# Altium PCB ANALOG_BOARD.PcbDoc (part 2 of 2) (continued)
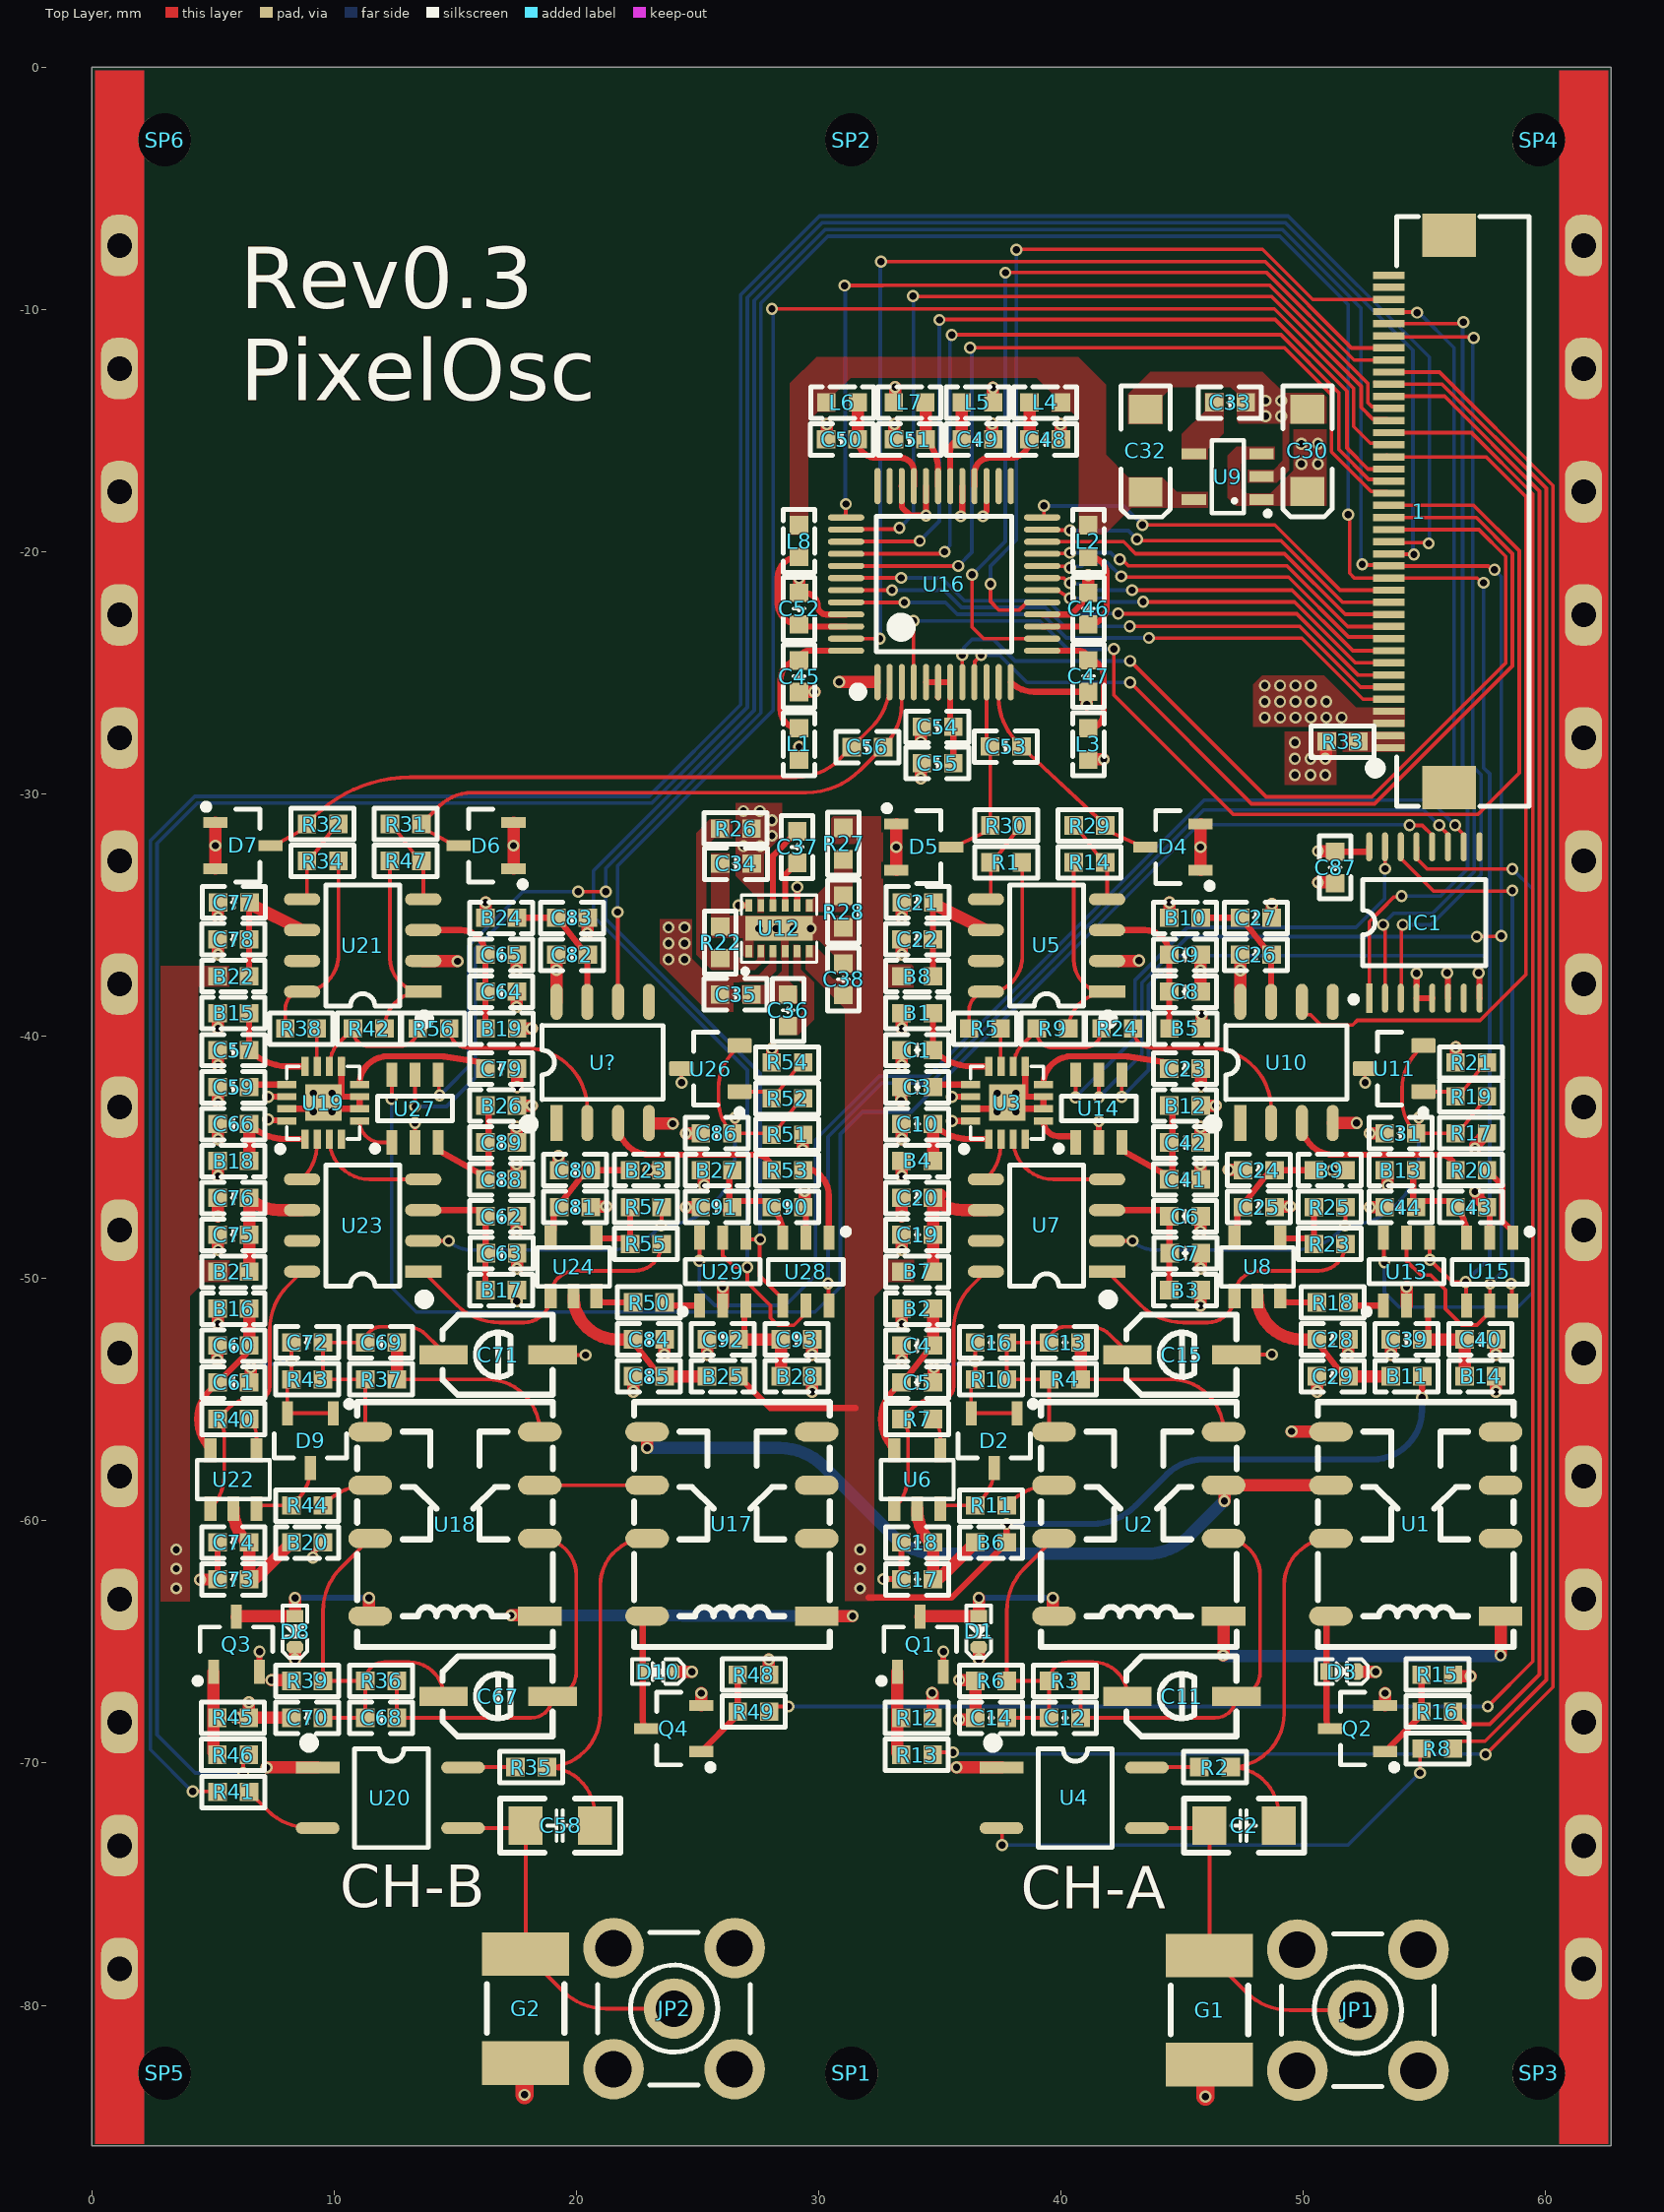
[diagram p0: Top Layer view]
## Nets (pads, with @x,y where several pads share a name; then routed paths per layer and width w, separated by ;. In a path a pad name is that pad's centre, name@x,y a point inside that pad or via, vN(x,y) a via of type N, cw(c..) or ccw(c..) an arc to the next point about the centre after c; other vN are vias at no path point) (continued)
  Top Layer w0.152: C68.2@12.588,-68.134 R36.2@12.588,-66.61 ; C68.2@12.715,-68.134 18.125,-68.134 ccw(c18.125,-67.245) C67.2@19.014,-67.245 ccw(c19.014,-66.269) 19.99,-66.269 19.99,-62.236 ccw(c18.486,-62.236) U18.2@18.486,-60.733
NetC69_1: C69.1 C71.1 C72.2 R37.1 R43.2 U18.5 | length 11.5
  Top Layer w0.152: U18.5@11.486,-56.333 cw(c11.486,-56.135) 11.288,-56.135 R37.1@11.288,-54.164 R43.2@9.54,-54.164 C72.2@9.54,-52.64 C69.1@11.288,-52.64 cw(c11.934,-52.64) 11.934,-51.994 12.995,-51.994 cw(c12.995,-53.121) 13.792,-52.324 14.264,-52.796 cw(c13.913,-53.148) C71.1@14.41,-53.148
  Top Layer w0.254: C71.1@14.261,-53.1 14.328,-53.148 C71.1@14.41,-53.148
NetC69_2: C69.2 R37.2 U18.4 | length 8.7
  Top Layer w0.152: R37.2@12.588,-54.164 16.317,-54.164 cw(c16.317,-56.333) U18.4@18.486,-56.333
  Top Layer w0.508: R37.2@12.588,-54.164 C69.2@12.588,-52.64
NetC79_1: C79.1 U19.8 | length 6.1
  Top Layer w0.254: U19.8@11.047,-41.995 cw(c12.213,-41.995) 12.213,-40.829 12.303,-40.829 ; 12.304,-40.829 14.51,-40.837 cw(c14.51,-41.091) 14.549,-40.84 16.114,-41.083 C79.1@16.368,-41.337
NetD2_3: D2.3 R11.1 U6.3 | length 3.3
  Top Layer w0.152: U6.3@35.011,-59.498 cw(c35.318,-59.804) 35.318,-59.371 R11.1@36.459,-59.371 36.695,-59.135 ccw(c35.39,-57.829) D2.3@37.236,-57.829
NetD9_3: D9.3 R44.1 U22.3 | length 3.3
  Top Layer w0.152: U22.3@6.792,-59.498 cw(c7.098,-59.804) 7.098,-59.371 R44.1@8.24,-59.371 8.476,-59.135 ccw(c7.17,-57.829) D9.3@9.017,-57.829
NetIC1_10: IC1.10 U29.6 | length 47
  Top Layer w0.152: v1(25.07,-49.276) 25.077,-49.268 25.077,-48.329 U29.6@25.085,-48.322 ; v1(56.261,-31.295) 56.261,-31.325 56.612,-31.676 IC1.10@56.612,-32.147
  Bottom Layer w0.152: v1(25.07,-49.276) 25.07,-50.47 25.705,-51.105 28.626,-51.105 29.866,-49.864 29.866,-44.273 32.484,-41.656 34.493,-41.656 45.898,-30.251 55.217,-30.251 v1(56.261,-31.295)
NetIC1_11: IC1.11 U28.6 | length 38.7
  Top Layer w0.152: v1(30.382,-50.206) 30.398,-50.221 30.398,-51.1 U28.6@30.414,-51.116 ; v1(55.605,-31.295) 55.605,-31.32 55.974,-31.689 IC1.11@55.974,-31.827
  Bottom Layer w0.152: v1(30.382,-50.206) 30.382,-44.153 32.599,-41.935 34.609,-41.935 45.887,-30.658 54.967,-30.658 v1(55.605,-31.295)
NetIC1_12: IC1.12 U27.6 | length 64.8
  Top Layer w0.152: v1(12.37,-42.596) 12.377,-42.588 12.377,-41.598 U27.6@12.385,-41.591 ; v1(54.377,-31.295) 54.905,-31.295 55.316,-31.706 IC1.12@55.316,-32.181
  Bottom Layer w0.152: v1(12.37,-42.596) 12.37,-50.368 13.386,-51.384 29.845,-51.384 30.886,-50.343 30.886,-44.044 31.805,-43.125 33.814,-43.125 45.668,-31.271 54.353,-31.271 v1(54.377,-31.295)
NetIC1_13: IC1.13 U13.6 | length 31.3
  Top Layer w0.152: U13.6@53.304,-48.322 53.322,-48.339 53.322,-49.309 v1(53.34,-49.327) ; IC1.13@54.666,-32.181 54.698,-32.213 54.698,-32.688 55.106,-33.096 v1(58.619,-33.096)
  Bottom Layer w0.152: v1(53.34,-49.327) 53.34,-50.571 53.95,-51.181 58.852,-51.181 59.461,-50.571 59.461,-33.934 58.623,-33.096 v1(58.619,-33.096)
NetIC1_14: IC1.14 U15.6 | length 22.8
  Top Layer w0.152: IC1.14@54.016,-32.181 54.016,-32.656 55.371,-34.011 58.594,-34.011 v1(58.619,-33.985) ; v1(58.572,-50.216) 58.603,-50.246 58.603,-51.085 U15.6@58.633,-51.116
  Bottom Layer w0.152: v1(58.572,-50.216) 58.619,-50.169 v1(58.619,-33.985)
NetIC1_15: IC1.15 U14.6 | length 20.8
  Top Layer w0.152: v1@40.597,-42.639 U14.6@40.597,-41.619 ; IC1.15@53.366,-32.181 IC1.15@53.366,-32.181 53.367,-33.087 v1(53.368,-33.088)
  Top Layer w0.254: v1@40.589,-42.647 v1@40.597,-42.639 ; U14.6@40.597,-41.619 U14.6@40.615,-41.601
  Bottom Layer w0.152: v1(40.589,-42.52) 43.053,-40.056 43.053,-37.674 45.218,-35.509 52.172,-35.509 53.35,-34.331 53.35,-33.106 v1(53.368,-33.088)
NetQ1_1: Q1.1 R12.1 R13.1 | length 3.4
  Top Layer w0.508: Q1.1@33.238,-66.229 33.238,-68.134 33.238,-69.547 ccw(c33.395,-69.547) R13.1@33.284,-69.658
NetQ2_1: Q2.1 R15.1 R16.1 | length 3.8
  Top Layer w0.254: Q2.1@53.365,-69.526 54.777,-68.114 ccw(c54.544,-67.88) R16.1@54.874,-67.88 R15.1@54.874,-66.356
NetQ3_1: Q3.1 R45.1 R46.1 | length 3.5
  Top Layer w0.508: R45.1@5.019,-68.134 5.019,-69.547 ccw(c5.176,-69.547) R46.1@5.065,-69.658 ; Q3.1@5.019,-66.229 5.019,-67.976 R45.1@5.177,-68.134
NetQ4_1: Q4.1 R48.1 R49.1 | length 3.8
  Top Layer w0.254: Q4.1@25.146,-69.526 26.558,-68.114 ccw(c26.324,-67.88) R49.1@26.655,-67.88 R48.1@26.655,-66.356
NetR1_1: R1.1 R5.2 U5.8 | length 8.2
  Top Layer w0.152: R5.2@36.205,-39.747 36.205,-38.913 cw(c36.895,-38.913) 36.895,-38.223 ccw(c36.895,-36.724) 38.394,-36.724 R1.1@38.394,-32.828
NetR2_1: R2.1 U4.4 | length 2.2
  Top Layer w0.152: U4.4@43.538,-70.186 cw(c43.558,-70.186) 43.558,-70.166 R2.1@45.698,-70.166
NetR5_1: R5.1 U3.11 | length 1.6
  Top Layer w0.152: R5.1@37.505,-39.747 37.505,-41.307 U3.11@37.519,-41.307
NetR7_1: R7.1 U6.1 U7.8 | length 11.8
  Top Layer w0.152: U6.1@33.111,-59.498 ccw(c31.738,-58.124) 33.68,-58.124 33.68,-56.454 ccw(c32.762,-56.454) R7.1@33.411,-55.804 33.88,-55.335 cw(c34.773,-56.228) 34.773,-54.966 35.077,-54.966 ccw(c35.077,-54.483) 35.56,-54.483 35.56,-52.106 cw(c38.1,-52.106) 36.304,-50.31 U7.8@36.895,-49.719
NetR7_2: R7.2 U6.4 | length 1.4
  Top Layer w0.152: R7.2@34.711,-55.804 cw(c33.987,-56.528) 35.011,-56.528 U6.4@35.011,-57.098
NetR8_2: R8.2 U4.2 | length 20.2
  Top Layer w0.152: v1(37.567,-73.381) U4.2@37.567,-72.69 ; v1(54.813,-70.409) 54.813,-69.465 R8.2@54.874,-69.404
  Top Layer w0.508: U4.2@37.538,-72.686 37.563,-72.686 U4.2@37.567,-72.69
  Bottom Layer w0.152: v1(37.567,-73.381) 51.841,-73.381 v1(54.813,-70.409)
NetR9_2: R9.2 R14.1 U5.1 | length 8.6
  Top Layer w0.152: R9.2@40.299,-39.747 cw(c41.823,-39.747) 41.823,-38.223 41.895,-38.223 cw(c41.895,-36.851) 40.523,-36.851 R14.1@40.523,-32.828
NetR11_2: R11.2 U2.6 | length 2.2
  Top Layer w0.152: R11.2@37.759,-59.371 37.853,-59.277 cw(c39.65,-61.073) 39.65,-58.533 U2.6@39.705,-58.533
NetR18_1: R18.1 U8.3 | length 1.3
  Top Layer w0.254: U8.3@49.108,-50.735 ccw(c49.362,-50.735) 49.362,-50.989 R18.1@50.302,-50.989
NetR19_1: R19.1 R21.2 U11.1 | length 3.6
  Top Layer w0.152: U11.1@54.939,-42.294 56.099,-42.294 cw(c56.099,-42.743) 56.416,-42.426 56.569,-42.273 57.259,-41.395 R21.2@57.564,-41.09
  Top Layer w0.508: R19.1@56.271,-42.48 R19.1@56.398,-42.353 ; R21.2@57.444,-41.21 R21.2@57.571,-41.083
NetR20_2: R20.2 U10.3 | length 7.4
  Top Layer w0.254: U10.3@49.936,-43.583 ccw(c51.246,-43.583) 51.246,-44.893 55.637,-44.893 cw(c55.637,-45.528) R20.2@56.271,-45.528
NetR23_1: R23.1 R25.1 U8.4 | length 2.7
  Top Layer w0.254: U8.4@49.047,-48.322 49.17,-48.344 R23.1@50.19,-48.344 ; R23.1@50.429,-48.576 R25.1@50.429,-47.052
NetR24_2: R24.2 U10.2 | length 8.2
  Top Layer w0.152: R24.2@42.966,-39.686 ccw(c43.768,-39.686) 43.768,-40.488 46.126,-40.488 cw(c46.126,-43.028) 48.666,-43.028 U10.2@48.666,-43.583
NetR34_1: R34.1 R38.2 U21.8 | length 8.2
  Top Layer w0.152: R38.2@7.986,-39.686 7.986,-38.852 cw(c8.676,-38.852) U21.8@8.676,-38.162 ccw(c8.676,-36.663) 10.175,-36.663 R34.1@10.175,-32.766
NetR35_1: R35.1 U20.4 | length 2.2
  Top Layer w0.152: U20.4@15.319,-70.186 cw(c15.339,-70.186) 15.339,-70.166 R35.1@17.479,-70.166
NetR38_1: R38.1 U19.11 | length 1.6
  Top Layer w0.152: R38.1@9.286,-39.686 9.286,-41.246 U19.11@9.299,-41.246
NetR40_1: R40.1 U22.1 U23.8 | length 11.8
  Top Layer w0.152: U22.1@4.892,-59.498 ccw(c3.518,-58.124) 5.461,-58.124 5.461,-56.454 ccw(c4.542,-56.454) R40.1@5.192,-55.804 5.66,-55.335 cw(c6.553,-56.228) 6.553,-54.966 6.858,-54.966 ccw(c6.858,-54.483) 7.341,-54.483 7.341,-52.106 cw(c9.881,-52.106) 8.085,-50.31 U23.8@8.676,-49.719
NetR40_2: R40.2 U22.4 | length 1.4
  Top Layer w0.152: R40.2@6.492,-55.804 cw(c5.767,-56.528) 6.792,-56.528 U22.4@6.792,-57.098
NetR41_2: R41.2 U20.2 | length 3.3
  Top Layer w0.152: R41.2@6.492,-71.196 7.237,-71.942 ccw(c9.033,-70.146) 9.033,-72.686 U20.2@9.319,-72.686
NetR42_2: R42.2 R47.1 U21.1 | length 8.6
  Top Layer w0.152: R42.2@12.08,-39.686 cw(c13.604,-39.686) 13.604,-38.162 U21.1@13.676,-38.162 cw(c13.676,-36.79) 12.304,-36.79 R47.1@12.304,-32.766
NetR44_2: R44.2 U18.6 | length 2.2
  Top Layer w0.152: R44.2@9.54,-59.371 9.634,-59.277 cw(c11.43,-61.073) 11.43,-58.533 U18.6@11.486,-58.533
NetR50_1: R50.1 U24.3 | length 1.3
  Top Layer w0.254: U24.3@20.889,-50.735 ccw(c21.143,-50.735) 21.143,-50.989 R50.1@22.083,-50.989
NetR52_1: R52.1 R54.2 U26.1 | length 3.3
  Top Layer w0.152: U26.1@26.727,-42.287 27.887,-42.287 cw(c27.887,-42.736) 28.204,-42.418 28.357,-42.266 29.047,-41.387 R54.2@29.352,-41.083
NetR53_2: R53.2 U?.3 | length 7.4
  Top Layer w0.254: U?.3@21.717,-43.583 ccw(c23.027,-43.583) 23.027,-44.893 27.417,-44.893 cw(c27.417,-45.528) R53.2@28.052,-45.528
NetR55_1: R55.1 R57.1 U24.4 | length 2.7
  Top Layer w0.254: U24.4@20.828,-48.322 20.951,-48.344 R55.1@21.971,-48.344 ; R55.1@22.21,-48.576 R57.1@22.21,-47.052
NetR56_2: R56.2 U?.2 | length 8.2
  Top Layer w0.152: R56.2@14.747,-39.686 ccw(c15.549,-39.686) 15.549,-40.488 17.907,-40.488 cw(c17.907,-43.028) 20.447,-43.028 U?.2@20.447,-43.583
NetU1_6: U1.6 U2.3 U17.5 | length 32
  Top Layer w0.508: v1(22.911,-56.998) 22.911,-56.338 U17.5@22.916,-56.333 ; v1(46.736,-59.182) 46.736,-58.563 U2.3@46.705,-58.533 U1.6@51.135,-58.533
  Bottom Layer w0.508: v1(22.911,-56.998) 28.386,-56.998 cw(c28.386,-59.538) 30.183,-57.742 33.063,-60.622 ccw(c34.86,-58.826) 34.86,-61.366 43.499,-61.366 ccw(c43.499,-58.826) 45.296,-60.622 v1(46.736,-59.182)
NetU3_2: U3.2 U7.5 | length 1.8
  Top Layer w0.152: U7.5@36.895,-45.909 ccw(c35.387,-44.4) 37.52,-44.4 U3.2@37.52,-44.246
NetU3_3: U3.3 U7.4 | length 4.8
  Top Layer w0.152: U3.3@38.018,-44.246 ccw(c39.681,-44.246) 39.681,-45.909 U7.4@41.895,-45.909
NetU17_6: U17.6 U18.3 | length 4.4
  Top Layer w0.152: U18.3@18.486,-58.533 U17.6@22.916,-58.533
NetU19_2: U19.2 U23.5 | length 1.8
  Top Layer w0.152: U23.5@8.676,-45.909 ccw(c7.168,-44.4) 9.301,-44.4 U19.2@9.301,-44.246
NetU19_3: U19.3 U23.4 | length 4.8
  Top Layer w0.152: U19.3@9.799,-44.246 ccw(c11.462,-44.246) 11.462,-45.909 U23.4@13.676,-45.909
pads on no net: 1.0 1.39 1.40 IC1.7 IC1.9 U1.2 U1.3 U1.4 U3.4 U5.7 U7.7 U10.1 U10.5 U16.25 U16.26 U16.35 U16.36 U17.2 U17.3 U17.4 U19.4 U21.7 U23.7 U?.1 U?.5

## Polygon pours and split planes (outlines as drawn)
DGND on Top Layer "DGND_L01_P029" (solid, pour order 29): 49.225,-27.432 51.359,-27.432 51.359,-29.616 49.225,-29.616
Net1_1 on Top Layer "DGN" (solid, pour order 31): 51.613,-27.432 54.178,-27.432 54.178,-28.27 51.613,-28.27
5V on Top Layer "5V_L01_P027" (solid, pour order 27): 47.93,-25.476 48.285,-25.121 50.851,-25.121 52.172,-26.441 54.178,-26.441 54.178,-27.229 47.93,-27.229
-2V5 on Top Layer "-2V5_L01_P004" (solid, pour order 4): 32.639,-37.033 33.909,-37.033 33.909,-37.998 32.639,-37.998 32.639,-49.225 33.934,-49.225 33.934,-50.14 32.893,-50.14 32.283,-50.749 32.283,-52.197 32.283,-59.879 32.283,-63.308 31.09,-63.308 31.09,-50.702 31.09,-38.862 29.464,-37.236 29.464,-36.257 29.832,-36.257 30.263,-36.688 30.263,-37.323 30.594,-37.654 31.775,-37.654 31.775,-32.066 30.505,-32.066 30.505,-30.923 32.639,-30.923
+3 on Top Layer "+3_L01_P001" (solid, pour order 1): 27.723,-32.487 28.473,-31.737 28.473,-30.378 26.568,-30.378 26.568,-33.374 27.469,-34.275 27.469,-34.91 27.723,-34.91
5V on Top Layer "5V_L01_P023" (solid, pour order 23): 49.581,-16.65 49.581,-14.961 50.952,-14.961 50.952,-18.11 47.206,-18.11 46.876,-17.78 46.876,-16.027 47.231,-15.672 48.819,-15.672 48.819,-16.205 47.587,-16.205 47.422,-16.37 47.422,-17.386 47.638,-17.602 48.628,-17.602
D3V on Top Layer "D3V_L01_P024" (solid, pour order 24): 40.716,-11.963 29.896,-11.963 28.804,-13.056 28.804,-19.304 29.566,-19.304 29.566,-14.63 29.972,-14.224 30.683,-14.224 30.683,-13.462 31.318,-12.827 39.014,-12.827 39.014,-12.852 39.599,-13.437 39.599,-14.224 40.437,-14.224 40.742,-14.529 40.742,-19.279 41.808,-19.279 42.901,-18.186 46.05,-18.186 46.05,-17.526 44.78,-17.526 44.171,-16.916 42.774,-16.916 41.859,-16.002 41.859,-13.106
NetC33_2 on Top Layer "NETC33_2_L01_P025" (solid, pour order 25): 45.923,-13.462 45.923,-14.199 44.983,-15.138 44.983,-16.205 46.05,-16.205 46.05,-15.773 46.711,-15.113 46.711,-13.462
DGND on Top Layer "DGND_L01_P026" (solid, pour order 26): 49.2,-13.462 48.311,-12.573 43.688,-12.573 42.774,-13.487 42.774,-14.732 44.196,-14.732 44.196,-13.589 44.577,-13.208 46.99,-13.208 47.244,-13.462 47.244,-14.707 49.149,-14.707 49.149,-16.231 48.768,-16.612 47.701,-16.612 47.701,-17.145 48.895,-17.145 49.403,-16.637 49.403,-14.707 51.156,-14.707 51.156,-13.462
5V on Top Layer "5V_L01_P007" (solid, pour order 7): 25.425,-37.465 24.765,-36.805 24.765,-35.179 23.444,-35.179 23.444,-37.008 25.425,-38.989 26.467,-38.989 26.467,-37.77 27.762,-37.77 27.773,-37.759 28.231,-37.301 28.231,-36.307 27.977,-36.307 27.977,-37.007 27.519,-37.465
NetC36_2 on Top Layer "NETC36_2_L01_P016" (solid, pour order 16): 29.794,-39.319 29.159,-39.954 28.372,-39.954 28.372,-39.218 28.346,-39.192 29.159,-39.192 29.312,-39.04 29.312,-37.846 28.956,-37.49 28.956,-36.231 29.261,-36.231 29.261,-37.236 29.794,-37.77
DGND on Top Layer "DGND_L01_P005" (solid, pour order 5): 26.822,-38.659 26.822,-37.897 27.889,-37.897 28.473,-37.313 28.473,-36.307 28.739,-36.307 28.739,-37.68 29.108,-38.049 29.108,-38.659 27.977,-38.659
DGND on Top Layer "DGND_L01_P000" (solid, pour order 0): 28.448,-36.053 28.448,-36.83 28.739,-36.83 28.739,-36.053 30.009,-36.053 30.39,-36.434 30.632,-36.676 30.632,-37.45 31.521,-37.45 31.521,-35.037 29.882,-35.037 26.707,-35.037 26.314,-35.037 26.314,-32.447 25.552,-32.447 25.552,-35.934 26.873,-35.949 26.873,-36.755 27.305,-36.755 27.305,-36.053
-2V5 on Top Layer "-2V5_L01_P019" (solid, pour order 19): 2.842,-37.109 5.664,-37.109 5.664,-37.948 4.392,-37.948 4.392,-49.251 5.687,-49.251 5.687,-50.14 4.623,-50.14 4.036,-50.726 4.036,-52.225 4.036,-59.907 4.036,-63.336 2.842,-63.336 2.842,-50.73 2.842,-44.943
FB+ on Top Layer "FB+_L01_P014" (solid, pour order 14): 24.943,-31.837 24.943,-31.608 25.502,-31.05 26.467,-31.05 26.467,-31.812 25.705,-31.812 25.349,-32.167 25.349,-36.155 25.578,-36.384 26.314,-36.384 26.34,-36.384 26.873,-36.917 27.165,-36.917 27.349,-36.917 27.457,-36.809 27.457,-36.701 27.457,-36.231 27.761,-36.231 27.761,-36.868 27.356,-37.273 25.578,-37.273 24.943,-36.638
FB- on Top Layer "FB-_L01_P015" (solid, pour order 15): 31.394,-34.58 31.115,-34.86 29.464,-34.86 29.464,-34.352 29.731,-34.352 30.632,-33.45 30.632,-32.32 31.394,-32.32
-2V5 on Bottom Layer "-2V5_L04_P020" (solid, pour order 20): 8.763,-61.189 8.763,-61.874 9.474,-61.874 9.474,-61.189 31.09,-61.189 31.09,-63.297 32.283,-63.297 32.283,-60.554 2.946,-60.554 2.946,-63.348 4.013,-63.348 4.013,-61.189
5V on Bottom Layer "5V_L04_P030" (solid, pour order 30): 51.003,-25.273 52.197,-26.467 52.197,-27.229 48.209,-27.229 41.275,-34.163 29.464,-34.163 28.753,-34.163 26.975,-34.163 26.975,-34.925 24.74,-34.925 24.74,-37.262 23.673,-37.262 23.444,-37.033 23.444,-32.766 40.64,-32.766 47.93,-25.476 49.428,-23.978 49.428,-14.961 51.003,-14.961
DGND on GND03 (split plane): 38.481,-60.831 35.128,-60.831 35.114,-60.832 34.916,-60.824 34.706,-60.796 34.499,-60.75 34.297,-60.686 34.101,-60.605 33.913,-60.507 33.734,-60.393 33.566,-60.264 33.42,-60.13 33.411,-60.12 33.362,-60.071 35.484,-60.071 35.484,-59.997 37.643,-59.997 37.647,-59.996 37.651,-59.997 37.696,-59.993 37.742,-59.989 37.746,-59.988 37.75,-59.988 37.795,-59.976 37.84,-59.966 37.843,-59.964 37.847,-59.963 37.89,-59.945 37.932,-59.927 37.935,-59.925 37.939,-59.924 38.481,-59.639
DGND on GND03 (split plane): 62.19,-85.291 0.511,-85.291 0.511,-0.51 62.19,-0.51
+3 on PWR02 (split plane): 38.481,-60.831 35.128,-60.831 35.114,-60.832 34.916,-60.824 34.706,-60.796 34.499,-60.75 34.297,-60.686 34.101,-60.605 33.913,-60.507 33.734,-60.393 33.566,-60.264 33.42,-60.13 33.411,-60.12 33.362,-60.071 35.484,-60.071 35.484,-59.997 37.643,-59.997 37.647,-59.996 37.651,-59.997 37.696,-59.993 37.742,-59.989 37.746,-59.988 37.75,-59.988 37.795,-59.976 37.84,-59.966 37.843,-59.964 37.847,-59.963 37.89,-59.945 37.932,-59.927 37.935,-59.925 37.939,-59.924 38.481,-59.639
+3 on PWR02 (split plane): 62.19,-85.291 0.511,-85.291 0.511,-0.51 62.19,-0.51

## Other copper
Top Layer:
  region net DGND: 2.159,-85.725 2.159,-0.127 0.127,-0.127 0.127,-85.725
  region net DGND: 62.573,-85.725 62.573,-0.127 60.541,-0.127 60.541,-85.725
Bottom Layer:
  region net DGND: 2.159,-85.725 2.159,-0.127 0.127,-0.127 0.127,-85.725
  region net DGND: 62.573,-85.725 62.573,-0.127 60.541,-0.127 60.541,-85.725
PWR02 (plane layer: these items are gaps in the copper):
  rectangle: 35.091,-58.852 38.837,-54.724
  rectangle: 6.871,-58.852 10.617,-54.724
  rectangle: 35.306,-55.27 47.701,-51.257
  rectangle: 36.119,-51.638 42.215,-49.708
  rectangle: 7.899,-51.638 13.995,-49.708
  rectangle: 7.087,-55.27 19.609,-51.257
  rectangle: 32.588,-60.071 35.484,-55.016
  rectangle: 46.66,-51.493 49.53,-47.962
  rectangle: 18.44,-51.308 21.311,-47.777
  rectangle: 19.075,-61.925 23.52,-58.547
  rectangle: 46.584,-61.874 51.562,-58.572
  rectangle: 36.449,-26.645 37.719,-24.638
  rectangle: 7.696,-68.859 13.335,-66.015
  rectangle: 35.992,-68.936 41.427,-65.989
  rectangle: 44.298,-73.863 49.936,-71.45
  rectangle: 44.069,-70.993 47.625,-69.494
  rectangle: 35.992,-73.863 44.628,-69.215
  rectangle: 49.86,-65.405 59.131,-55.093
  rectangle: 35.662,-50.546 42.875,-45.288
  rectangle: 36.678,-45.491 38.633,-43.84
  rectangle: 38.481,-65.43 47.701,-55.093
  rectangle: 35.687,-38.964 42.85,-33.68
  rectangle: 36.652,-41.834 38.633,-38.633
  rectangle: 35.687,-40.513 40.869,-38.1
  rectangle: 36.22,-33.884 42.443,-30.582
  rectangle: 38.1,-68.936 47.625,-62.89
  rectangle: 38.506,-40.716 43.561,-38.837
  rectangle: 46.533,-44.755 51.791,-37.617
  rectangle: 35.992,-69.748 48.946,-66.421
  rectangle: 44.526,-72.415 48.463,-70.688
  rectangle: 4.369,-60.071 7.264,-55.016
  rectangle: 16.434,-72.339 20.371,-70.612
  rectangle: 7.696,-69.672 20.853,-66.345
  rectangle: 18.44,-44.679 23.698,-37.592
  rectangle: 10.414,-40.64 15.469,-38.76
  rectangle: 10.008,-68.859 19.533,-62.814
  rectangle: 31.623,-26.695 33.934,-24.638
  rectangle: 10.439,-30.556 15.011,-29.591
  rectangle: 8.128,-33.807 14.351,-30.505
  rectangle: 7.595,-40.437 12.776,-38.024
  rectangle: 8.56,-41.758 10.541,-38.557
  rectangle: 7.595,-38.887 14.757,-33.604
  rectangle: 10.389,-65.354 19.609,-55.016
  rectangle: 8.585,-45.415 10.541,-43.764
  rectangle: 7.569,-50.47 14.783,-45.212
  rectangle: 21.768,-65.329 31.039,-55.016
  rectangle: 7.696,-73.787 16.535,-69.139
  rectangle: 15.977,-70.917 19.533,-69.418
  rectangle: 16.205,-73.787 21.844,-71.374
  region: 37.44,-27.178 37.324,-31.242 41.619,-31.242
  lines w0.762: 13.589,-49.632 ccw(c15.858,-49.632) 14.254,-51.236 14.289,-51.271 ccw(c15.85,-49.71) 15.85,-51.918 17.211,-51.918 cw(c17.211,-52.004) 17.272,-51.943 17.525,-51.943 ccw(c17.525,-50.469) 18.567,-51.511 18.685,-51.393 ccw(c18.295,-51.003) 18.847,-51.003 ; 19.522,-40.054 ccw(c21.791,-40.054) 20.187,-41.658 ; 20.222,-41.693 ccw(c21.783,-40.132) 21.783,-42.34 23.144,-42.34 ; 41.808,-49.816 ccw(c44.077,-49.816) 42.473,-51.421 ; 42.508,-51.456 ccw(c44.069,-49.895) 44.069,-52.102 45.43,-52.102 ; 45.744,-52.128 ccw(c45.744,-50.653) 46.787,-51.696 ; 46.905,-51.578 ccw(c46.514,-51.188) 47.066,-51.188
  lines w1.016: 4.877,-55.55 ccw(c4.877,-52.729) 6.871,-54.724 7.137,-54.458 ccw(c6.646,-53.967) 7.341,-53.967 7.341,-52.375 cw(c10.407,-52.375) 8.239,-50.207 ; 33.096,-55.55 ccw(c33.096,-52.729) 35.091,-54.724 35.357,-54.458 ccw(c34.865,-53.967) 35.56,-53.967 35.56,-52.375 cw(c38.626,-52.375) 36.458,-50.207
  lines w1.27: 6.02,-59.284 9.55,-59.284 11.049,-58.496 ; 8.839,-31.217 9.922,-30.133 cw(c12.09,-32.301) 12.09,-29.235 12.268,-29.235 28.905,-29.235 ccw(c28.905,-26.169) 31.073,-28.337 31.593,-27.817 ccw(c29.989,-26.213) 32.258,-26.213 ; 9.525,-66.37 9.525,-63.983 cw(c12.591,-63.983) 10.423,-61.815 11.125,-61.112 ; 14.097,-31.14 14.494,-30.743 cw(c16.662,-32.911) 16.662,-29.845 ; 14.707,-39.7 ccw(c15.646,-39.7) 15.646,-40.64 18.898,-40.64 ; 16.256,-29.87 29.872,-29.87 29.896,-29.87 ccw(c29.896,-26.804) 32.064,-28.972 32.437,-28.599 ccw(c30.356,-26.518) 33.299,-26.518 ; 18.542,-70.206 18.705,-70.194 ccw(c18.705,-67.685) 20.479,-69.459 20.485,-69.456 ccw(c18.799,-67.77) 21.184,-67.77 21.184,-62.484 21.209,-62.027 cw(c22.479,-62.027) 22.479,-60.757 23.419,-60.757 ; 18.999,-58.522 22.098,-58.522 ; 19.126,-67.259 ccw(c19.126,-66.269) 20.117,-66.269 20.117,-62.052 ccw(c19.126,-62.052) 19.126,-61.062 ; 20.041,-70.637 cw(c18.219,-72.459) 20.795,-72.459 ; 22.098,-58.572 cw(c22.098,-58.598) 22.123,-58.598 ; 29.642,-57.353 cw(c29.642,-57.598) 29.815,-57.425 32.96,-60.57 ccw(c35.128,-58.402) 35.128,-61.468 43.231,-61.468 ccw(c43.231,-58.402) 45.399,-60.57 46.7,-59.269 ccw(c46.613,-59.182) 46.736,-59.182 ; 34.112,-59.36 37.643,-59.36 39.141,-58.572 ; 37.084,-30.81 37.084,-25.756 ccw(c38.801,-25.756) 37.587,-26.97 ; 37.617,-66.446 37.617,-64.059 cw(c40.683,-64.059) 38.515,-61.891 39.218,-61.189 ; 37.663,-27.046 41.783,-31.166 ; 42.799,-39.776 ccw(c43.739,-39.776) 43.739,-40.716 46.99,-40.716 ; 46.634,-70.282 46.798,-70.27 ccw(c46.798,-67.761) 48.572,-69.535 48.577,-69.533 ccw(c46.891,-67.846) 49.276,-67.846 49.276,-62.56 49.301,-62.103 cw(c50.571,-62.103) 50.571,-60.833 51.511,-60.833 ; 47.092,-58.598 50.19,-58.598 ; 47.219,-67.335 ccw(c47.219,-66.345) 48.209,-66.345 48.209,-62.128 ccw(c47.219,-62.128) 47.219,-61.138 ; 48.133,-70.714 cw(c46.312,-72.535) 48.887,-72.535 ; 50.19,-58.649 cw(c50.19,-58.674) 50.216,-58.674
  lines w2.032: 17.907,-72.517 17.907,-76.454 ccw(c20.973,-76.454) 18.805,-78.622 18.988,-78.805 ccw(c22.507,-75.285) 22.507,-80.263 24.384,-80.264 ; 45.999,-72.593 45.999,-76.53 ccw(c49.065,-76.53) 46.897,-78.698 47.08,-78.881 ccw(c50.6,-75.361) 50.6,-80.339 52.476,-80.34
GND03 (plane layer: these items are gaps in the copper):
  rectangle: 6.871,-58.852 10.617,-54.724
  rectangle: 35.091,-58.852 38.837,-54.724
  rectangle: 7.087,-55.27 19.609,-51.257
  rectangle: 7.899,-51.638 13.995,-49.708
  rectangle: 36.119,-51.638 42.215,-49.708
  rectangle: 35.306,-55.27 47.701,-51.257
  rectangle: 16.205,-73.787 21.844,-71.374
  rectangle: 15.977,-70.917 19.533,-69.418
  rectangle: 7.696,-73.787 16.535,-69.139
  rectangle: 21.768,-65.329 31.039,-55.016
  rectangle: 7.569,-50.47 14.783,-45.212
  rectangle: 8.585,-45.415 10.541,-43.764
  rectangle: 10.389,-65.354 19.609,-55.016
  rectangle: 7.595,-38.887 14.757,-33.604
  rectangle: 8.56,-41.758 10.541,-38.557
  rectangle: 7.595,-40.437 12.776,-38.024
  rectangle: 8.128,-33.807 14.351,-30.505
  rectangle: 10.439,-30.556 15.011,-29.591
  rectangle: 31.623,-26.695 33.934,-24.638
  rectangle: 10.008,-68.859 19.533,-62.814
  rectangle: 10.414,-40.64 15.469,-38.76
  rectangle: 18.44,-44.679 23.698,-37.592
  rectangle: 7.696,-69.672 20.853,-66.345
  rectangle: 16.434,-72.339 20.371,-70.612
  rectangle: 4.369,-60.071 7.264,-55.016
  rectangle: 44.526,-72.415 48.463,-70.688
  rectangle: 35.992,-69.748 48.946,-66.421
  rectangle: 46.533,-44.755 51.791,-37.617
  rectangle: 38.506,-40.716 43.561,-38.837
  rectangle: 38.1,-68.936 47.625,-62.89
  rectangle: 36.22,-33.884 42.443,-30.582
  rectangle: 35.687,-40.513 40.869,-38.1
  rectangle: 36.652,-41.834 38.633,-38.633
  rectangle: 35.687,-38.964 42.85,-33.68
  rectangle: 38.481,-65.43 47.701,-55.093
  rectangle: 36.678,-45.491 38.633,-43.84
  rectangle: 35.662,-50.546 42.875,-45.288
  rectangle: 49.86,-65.405 59.131,-55.093
  rectangle: 35.992,-73.863 44.628,-69.215
  rectangle: 44.069,-70.993 47.625,-69.494
  rectangle: 44.298,-73.863 49.936,-71.45
  rectangle: 35.992,-68.936 41.427,-65.989
  rectangle: 7.696,-68.859 13.335,-66.015
  rectangle: 36.449,-26.645 37.719,-24.638
  rectangle: 46.584,-61.874 51.562,-58.572
  rectangle: 19.075,-61.925 23.52,-58.547
  rectangle: 18.44,-51.308 21.311,-47.777
  rectangle: 46.66,-51.493 49.53,-47.962
  rectangle: 32.588,-60.071 35.484,-55.016
  region: 37.44,-27.178 37.324,-31.242 41.619,-31.242
  lines w0.762: 13.589,-49.632 ccw(c15.858,-49.632) 14.254,-51.236 14.289,-51.271 ccw(c15.85,-49.71) 15.85,-51.918 17.211,-51.918 cw(c17.211,-52.004) 17.272,-51.943 17.525,-51.943 ccw(c17.525,-50.469) 18.567,-51.511 18.685,-51.393 ccw(c18.295,-51.003) 18.847,-51.003 ; 19.522,-40.054 ccw(c21.791,-40.054) 20.187,-41.658 ; 20.222,-41.693 ccw(c21.783,-40.132) 21.783,-42.34 23.144,-42.34 ; 41.808,-49.816 ccw(c44.077,-49.816) 42.473,-51.421 ; 42.508,-51.456 ccw(c44.069,-49.895) 44.069,-52.102 45.43,-52.102 ; 45.744,-52.128 ccw(c45.744,-50.653) 46.787,-51.696 ; 46.905,-51.578 ccw(c46.514,-51.188) 47.066,-51.188
  lines w1.016: 4.877,-55.55 ccw(c4.877,-52.729) 6.871,-54.724 7.137,-54.458 ccw(c6.646,-53.967) 7.341,-53.967 7.341,-52.375 cw(c10.407,-52.375) 8.239,-50.207 ; 33.096,-55.55 ccw(c33.096,-52.729) 35.091,-54.724 35.357,-54.458 ccw(c34.865,-53.967) 35.56,-53.967 35.56,-52.375 cw(c38.626,-52.375) 36.458,-50.207
  lines w1.27: 6.02,-59.284 9.55,-59.284 11.049,-58.496 ; 9.347,-30.886 10.1,-30.133 cw(c12.268,-32.301) 12.268,-29.235 28.905,-29.235 ccw(c28.905,-26.169) 31.073,-28.337 31.593,-27.817 ccw(c29.989,-26.213) 32.258,-26.213 ; 9.525,-66.37 9.525,-63.983 cw(c12.591,-63.983) 10.423,-61.815 11.125,-61.112 ; 14.097,-31.14 14.494,-30.743 cw(c16.662,-32.911) 16.662,-29.845 ; 14.707,-39.7 ccw(c15.646,-39.7) 15.646,-40.64 18.898,-40.64 ; 16.256,-29.87 29.872,-29.87 29.896,-29.87 ccw(c29.896,-26.804) 32.064,-28.972 32.437,-28.599 ccw(c30.356,-26.518) 33.299,-26.518 ; 18.542,-70.206 18.705,-70.194 ccw(c18.705,-67.685) 20.479,-69.459 20.485,-69.456 ccw(c18.799,-67.77) 21.184,-67.77 21.184,-62.484 21.209,-62.027 cw(c22.479,-62.027) 22.479,-60.757 23.419,-60.757 ; 18.999,-58.522 22.098,-58.522 ; 19.126,-67.259 ccw(c19.126,-66.269) 20.117,-66.269 20.117,-62.052 ccw(c19.126,-62.052) 19.126,-61.062 ; 20.041,-70.637 cw(c18.219,-72.459) 20.795,-72.459 ; 22.098,-58.572 cw(c22.098,-58.598) 22.123,-58.598 ; 29.642,-57.353 cw(c29.642,-57.598) 29.815,-57.425 32.96,-60.57 ccw(c35.128,-58.402) 35.128,-61.468 43.231,-61.468 ccw(c43.231,-58.402) 45.399,-60.57 46.7,-59.269 ccw(c46.613,-59.182) 46.736,-59.182 ; 34.112,-59.36 37.643,-59.36 39.141,-58.572 ; 37.084,-30.81 37.084,-25.756 ccw(c38.801,-25.756) 37.587,-26.97 ; 37.617,-66.446 37.617,-64.059 cw(c40.683,-64.059) 38.515,-61.891 39.218,-61.189 ; 37.663,-27.046 41.783,-31.166 ; 42.799,-39.776 ccw(c43.739,-39.776) 43.739,-40.716 46.99,-40.716 ; 46.634,-70.282 46.798,-70.27 ccw(c46.798,-67.761) 48.572,-69.535 48.577,-69.533 ccw(c46.891,-67.846) 49.276,-67.846 49.276,-62.56 49.301,-62.103 cw(c50.571,-62.103) 50.571,-60.833 51.511,-60.833 ; 47.092,-58.598 50.19,-58.598 ; 47.219,-67.335 ccw(c47.219,-66.345) 48.209,-66.345 48.209,-62.128 ccw(c47.219,-62.128) 47.219,-61.138 ; 48.133,-70.714 cw(c46.312,-72.535) 48.887,-72.535 ; 50.19,-58.649 cw(c50.19,-58.674) 50.216,-58.674
  lines w2.032: 17.907,-72.517 17.907,-76.454 ccw(c20.973,-76.454) 18.805,-78.622 18.988,-78.805 ccw(c22.507,-75.285) 22.507,-80.263 24.384,-80.264 ; 45.999,-72.593 45.999,-76.53 ccw(c49.065,-76.53) 46.897,-78.698 47.08,-78.881 ccw(c50.6,-75.361) 50.6,-80.339 52.476,-80.34

## Silkscreen, mask and mechanical layers (free items; w line width, h text height)
Top Overlay:
  text "Rev0.3 / PixelOsc" at 6.119,-13.767 h2.54
  text "CH-B" at 10.236,-76.544 h3
  text "CH-A" at 38.342,-76.606 h3
Mechanical 1:
  the board outline again, w0.254

## Dimensions
0,-85.802 to 62.7,-85.802 on Mechanical 1
0,0 to 0,-85.802 on Mechanical 1